# Altium PCB UAVPoS_V2_0.PcbDoc (part 1 of 3) (continued)
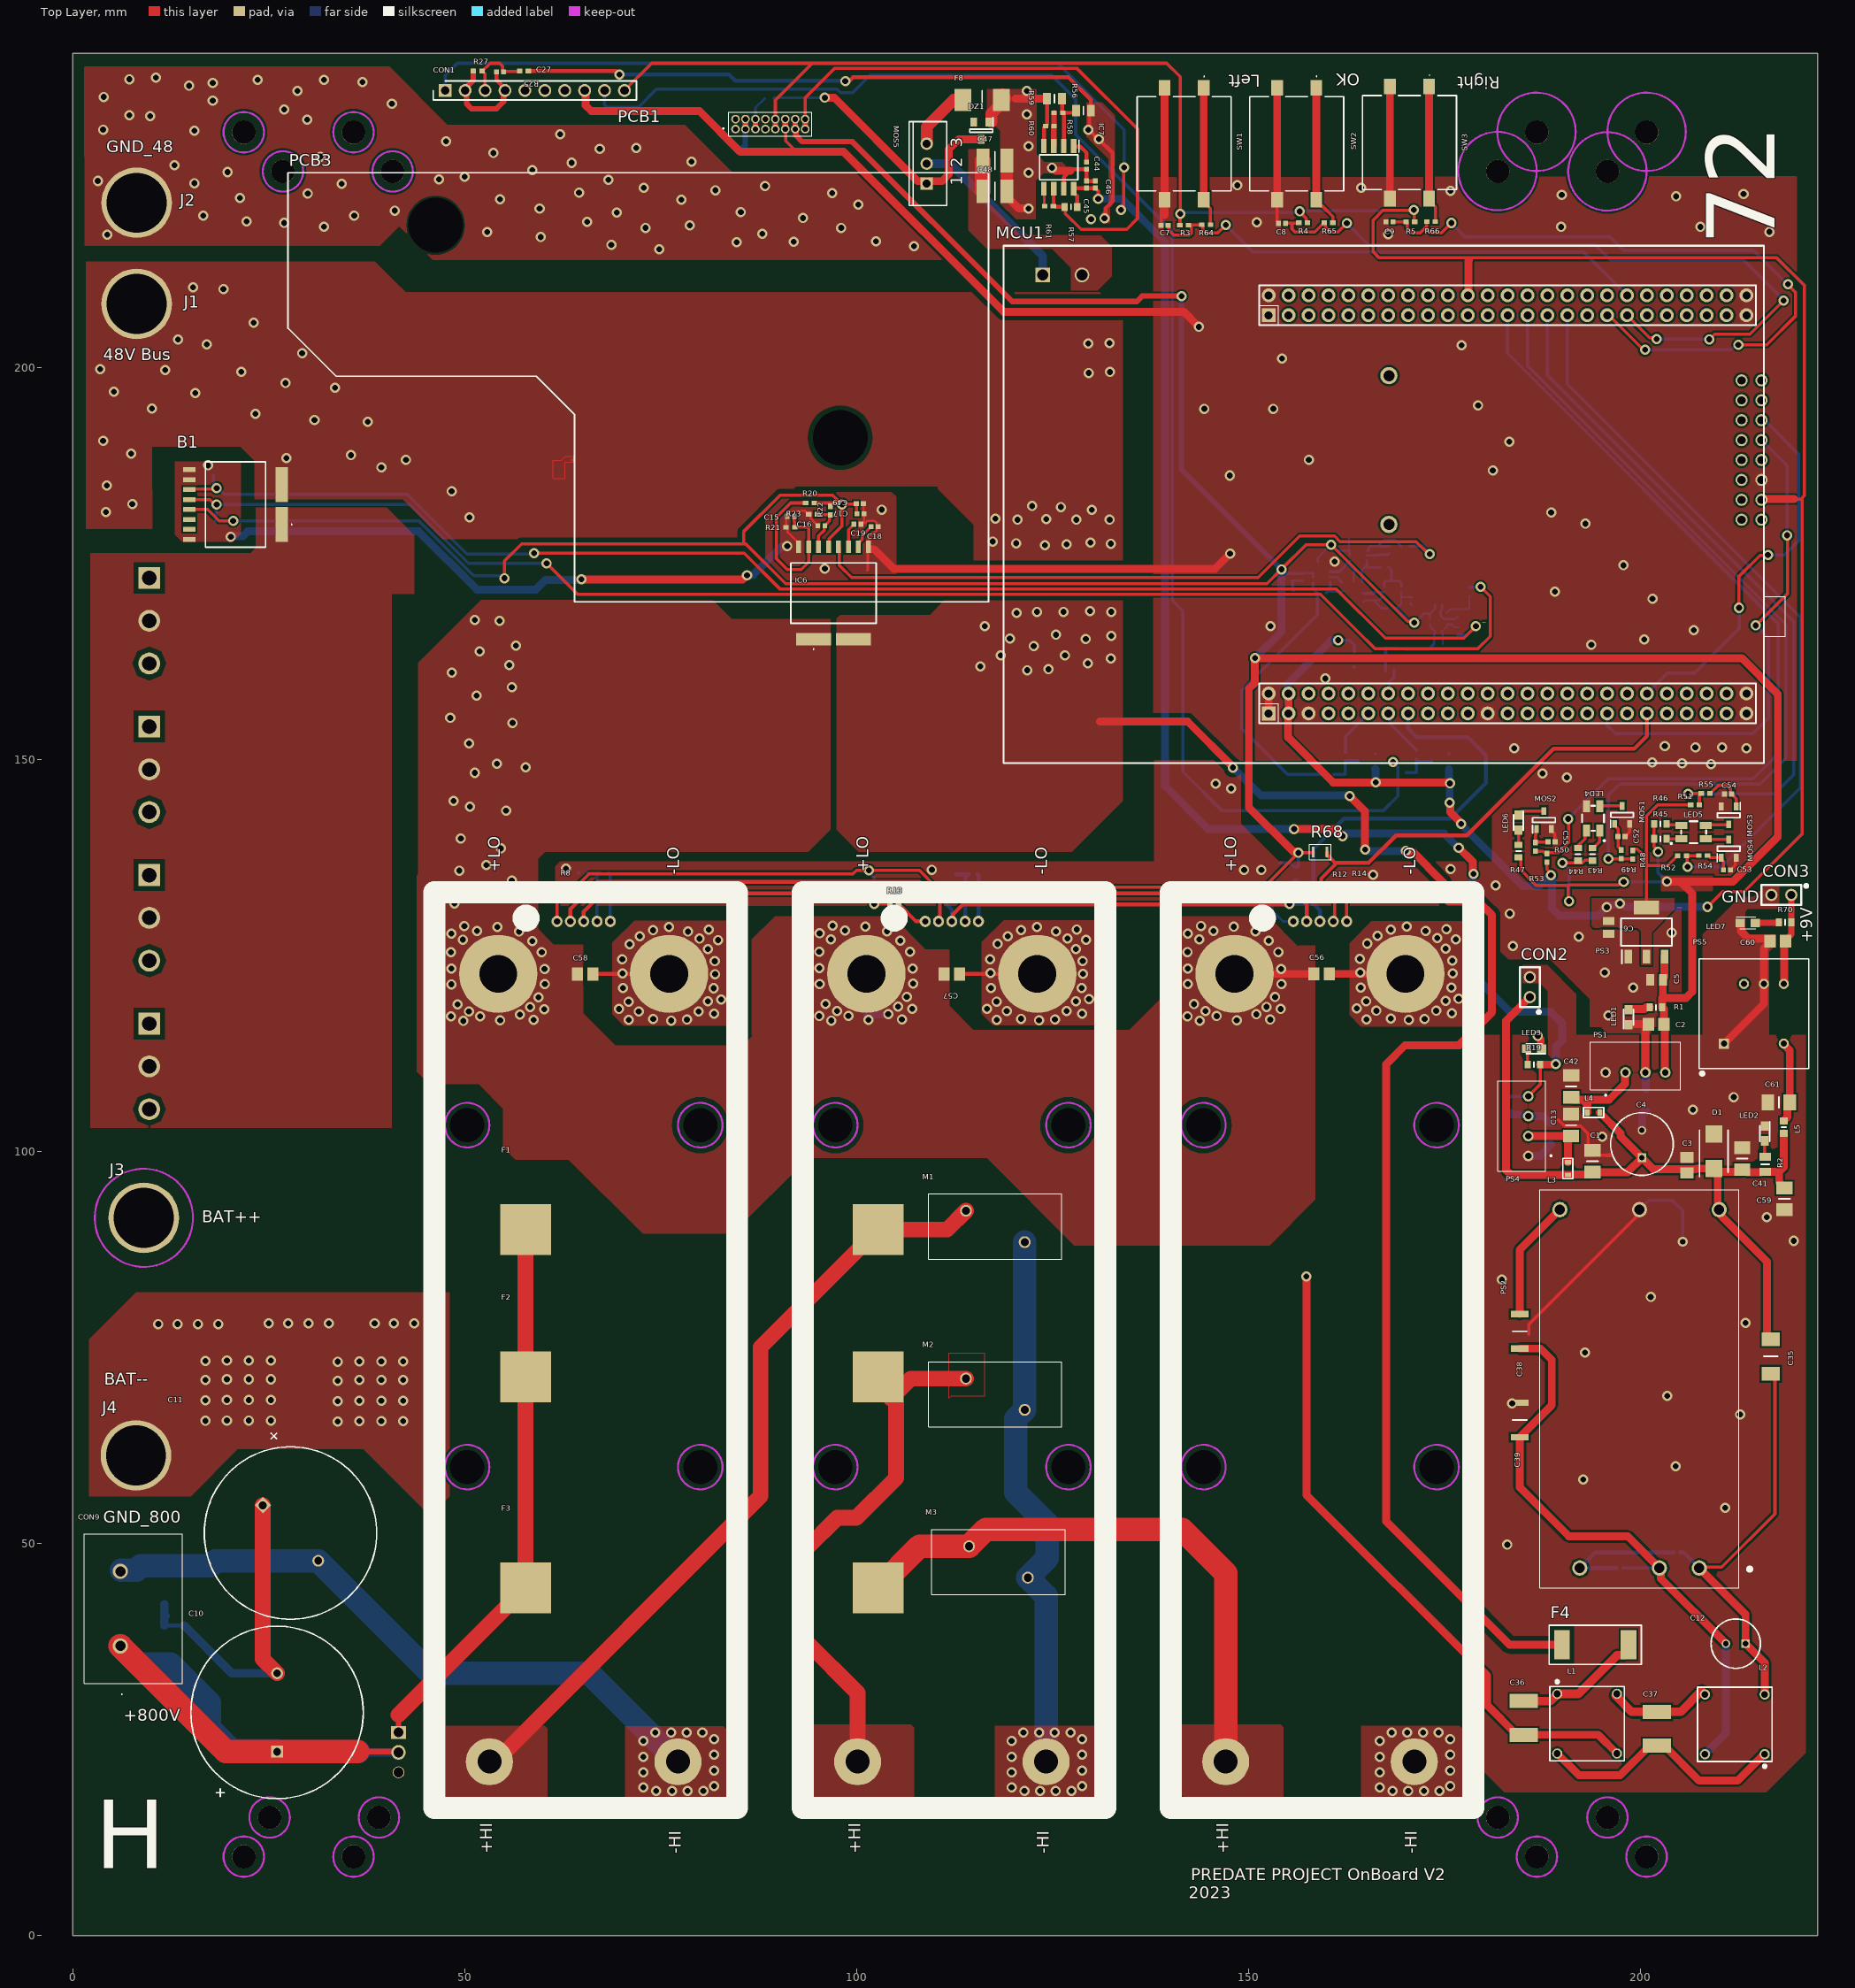
[diagram p0: Top Layer view]
## Part data (continued)
CON9: "Terminal Block; 32 A; 690 V; 9.5 mm; 24 to 10", Manufacturer="Phoenix Contact", Supplier Part Number 1=651-1714971, Category="Test Probes, Leads and Clips", Manufacturer Part Number=1714971, Part Number=1714971, Pricing 1="1=1,98000, 10=1,93000, 50=1,80000, 100=1,6500", RoHS=Yes, Stock 1=10332, Supplier 1=Mouser
D1: "Diode TVS Single Uni-Dir 20V 600W 2-Pin SMB", Breakdown Voltage=22.2V, Case/Package=DO-214AA, Clamping Voltage=32.4V, Leakage Current=1uA, Manufacturer=Littelfuse, Max Breakdown Voltage=24.5V, Max Operating Temperature=150°C, Max Power Dissipation=600W, Max Surge Current=18.6A, Min Operating Temperature=-55°C, Operating Supply Voltage=20V, Package Quantity=3000, Power Line Protection=No, Resistor Type=Zener, Supplier Part Number 1=821-SMBJ20A, Test Current=1mA, Category="TVS Diodes", Clamping Voltage-Max=32.4V, ComponentLink1Description=https://datasheet.ciiva.com/46381/607623-4638, ComponentLink1URL=https://datasheet.ciiva.com/46381/607623-4638, ComponentLink2Description=https://datasheet.ciiva.com/331/littelfuse-tv, ComponentLink2URL=https://datasheet.ciiva.com/331/littelfuse-tv, ComponentLink3Description=https://datasheet.ciiva.com/16391/littelfuse-, ComponentLink3URL=https://datasheet.ciiva.com/16391/littelfuse-, ComponentLink4Description=https://datasheet.ciiva.com/331/littelfuse-tv, ComponentLink4URL=https://datasheet.ciiva.com/331/littelfuse-tv, ComponentLink5Description=https://datasheet.ciiva.com/331/littelfuse-tv, ComponentLink5URL=https://datasheet.ciiva.com/331/littelfuse-tv, ComponentLink6Description=https://datasheet.ciiva.com/4509/littelfuse-t, ComponentLink6URL=https://datasheet.ciiva.com/4509/littelfuse-t, Diode Type=ZENER, Direction=Unidirectional, Height=2.44mm, Lead Free="Lead Free", Length=5.59mm, Manufacturer Part Number=SMBJ20A, Min Breakdown Voltage=22.2V, Mount="Surface Mount", Number of Channels=1, Number of Elements=1, Number of Pins=2, Number of Unidirectional Channels=1, Packaging="Tape and Reel", Part Number=SMBJ20A, Peak Pulse Current=18.6A, Peak Pulse Power=600W, Polarity=Unidirectional, Power Dissipation=600W, Pricing 1="1=0,48510, 10=0,37210, 25=0,36840, 100=0,2633", Radiation Hardening=No, REACH SVHC="No SVHC", Reverse Breakdown Voltage=22.2V, Reverse Standoff Voltage=20V, RoHS=Yes, RoHS Compliant=Yes, Series=SMBJ, Stock 1=6334, Supplier 1=Mouser, Termination=SMD/SMT, Voltage Rating (DC)=20V, Width=3.94mm
D2 D7 D8 D9: "Diode Schottky Rectifier 20V 80A 3-Pin TO-247", Average Rectified Current=40A, Case/Package=TO-247-3, Forward Voltage=550mV, Manufacturer=Vishay, Max Forward Surge Current (Ifsm)=2.2kA, Max Operating Temperature=150°C, Max Repetitive Reverse Voltage (Vrrm)=20V, Max Reverse Current=5.5mA, Min Operating Temperature=-55°C, Supplier Part Number 1=78-VS-80CPQ020-N3, Category="Rectifier Diodes", ComponentLink1Description=http://www.vishay.com/docs/94256/80cpq020.pdf, ComponentLink1URL=http://www.vishay.com/docs/94256/80cpq020.pdf, Element Configuration="Common Cathode", Forward Current=40A, Height=20.7mm, Length=15.87mm, Manufacturer Part Number=VS-80CPQ020-N3, Max Reverse Voltage (DC)=20V, Mount="Through Hole", Number of Pins=3, Packaging=Rail/Tube, Part Number=VS-80CPQ020-N3, Peak Non-Repetitive Surge Current=2.2kA, Pricing 1="1=5,72000, 10=5,14000, 50=5,14000, 100=4,2100", RoHS=Yes, RoHS Compliant=Yes, Stock 1=5110, Supplier 1=Mouser, Width=5.31mm
D3: library part VT10200C-E3/4W, "VT10200C-E3 10 A 200 V Trench MOS Barrier Sch", Average Rectified Current=5A, Case/Package=TO-220-3, Forward Current=10A, Forward Voltage=580mV, Manufacturer="Vishay Semiconductors", Max Forward Surge Current (Ifsm)=80A, Max Operating Temperature=150°C, Max Power Dissipation=350mW, Max Repetitive Reverse Voltage (Vrrm)=200V, Max Reverse Current=150uA, Max Reverse Leakage Current=10uA, Min Operating Temperature=-40°C, Output Current=50mA, Package Quantity=50, Supplier Part Number 1=78-VT10200C-E3/4W, Test Current=5mA, Tolerance=7%, Voltage=3V, Voltage Tolerance=5%, Category="Rectifier Diodes", ComponentLink1Description=https://datasheet.ciiva.com/24139/vt10200c-27, ComponentLink1URL=https://datasheet.ciiva.com/24139/vt10200c-27, ComponentLink2Description=https://datasheet.ciiva.com/25623/0900766b810, ComponentLink2URL=https://datasheet.ciiva.com/25623/0900766b810, ComponentLink3Description=https://datasheet.ciiva.com/8347/ds18001-8347, ComponentLink3URL=https://datasheet.ciiva.com/8347/ds18001-8347, ComponentLink4Description=https://datasheet.ciiva.com/890/ds18001-89008, ComponentLink4URL=https://datasheet.ciiva.com/890/ds18001-89008, ComponentLink5Description=https://datasheet.ciiva.com/890/ds18001-89009, ComponentLink5URL=https://datasheet.ciiva.com/890/ds18001-89009, ComponentLink6Description=https://datasheet.ciiva.com/10637/bzx84c2v4lt, ComponentLink6URL=https://datasheet.ciiva.com/10637/bzx84c2v4lt, ComponentLink7Description=https://datasheet.ciiva.com/24019/bzx84c2v4lt, ComponentLink7URL=https://datasheet.ciiva.com/24019/bzx84c2v4lt, Contact Plating=Tin,Matte, Element Configuration="Common Cathode", ESD Protection=No, Halogen Free="Halogen Free", Height=1mm, Impedance=95R, Lead Free="Lead Free", Length=2.9mm, Manufacturer Part Number=VT10200C-E3/4W, Max Reverse Voltage (DC)=200V, Mount="Through Hole", Number of Pins=3, Packaging=Rail/Tube, Part Number=VT10200C-E3/4W, Peak Non-Repetitive Surge Current=80A, Power Dissipation=350mW, Power Rating=350mW, Pricing 1="1=1,25000, 10=1,13000, 50=1,13000, 100=0,8760", RoHS=Yes, RoHS Compliant=Yes, Series=TMBS®, Stock 1=745, Supplier 1=Mouser, Termination=SMD/SMT, Voltage Rating (DC)=3V, Weight=0.066315oz, Width=1.3mm, Working Voltage=3V, Zener Current=5mA, Zener Voltage=3V
DZ1: "SZBZX84C18L Series 18 V 225 mW 10 mA SMT Zene", Case/Package=SOT-23-3, Forward Voltage=900mV, Manufacturer="ON Semiconductor", Max Operating Temperature=150°C, Max Power Dissipation=225mW, Max Reverse Current=50nA, Min Operating Temperature=-55°C, Package Quantity=10000, Supplier Part Number 1=863-SZBZX84C18LT3G, Tolerance=6%, Working Voltage=18V, Category="Zener Diodes", Element Configuration=Single, Impedance=45R, Lead Free="Lead Free", Manufacturer Part Number=SZBZX84C18LT3G, Max Reverse Leakage Current=50nA, Number of Pins=3, Packaging="Tape and Reel", Part Number=SZBZX84C18LT3G, Power Dissipation=225mW, Pricing 1="1=0,18000, 10=0,16000, 50=0,16000, 100=0,0880", Radiation Hardening=No, RoHS=Yes, Series=-, Stock 1=14240, Supplier 1=Mouser, Zener Voltage=18V
F1 F2 F3: "Adafruit Feather nRF52 Pro with myNewt Bootlo", Case/Package=SMD/SMT, Manufacturer="Keystone Electronics", Supplier Part Number 1=534-3574, Category="Fuse Holders", Manufacturer Part Number=3574, Mount="Surface Mount", Part Number=3574, Pricing 1="1=3,57000, 10=3,57000, 50=3,14000, 100=2,8600", RoHS=Yes, Stock 1=401, Supplier 1=Mouser
F4: library part 3403.0168.11, "Fuse Chip Slow Blow Acting 1.6A 250V SMD Sold", Case/Package=SMD/SMT, Manufacturer=Schurter, Supplier Part Number 1=693-3403.0168.11, Category=Fuses, Manufacturer Part Number=3403.0168.11, Mount="Surface Mount,PCB", Number of Pins=2, Part Number=3403.0168.11, Pricing 1="1=0,69000, 10=0,69000, 50=0,62200, 100=0,5670", RoHS=Yes, Stock 1=1214, Supplier 1=Mouser, Weight=0.008113oz
F8: "Fuse Brd Mnt 2.5A 125VAC/VDC", Case/Package=2410, Manufacturer=Bel, Supplier Part Number 1=530-0679L2500-05, Category=Fuses, Manufacturer Part Number=0679L2500-05, Mount="Surface Mount", Part Number=0679L2500-05, Pricing 1="1=0,33000, 10=0,31300, 50=0,31300, 100=0,2590", RoHS=Yes, Stock 1=7135, Supplier 1=Mouser
IC1 IC3 IC4 IC5: "Op Amp Single Low Voltage Amplifier R-R I/O 5", Case/Package=SC, Manufacturer="TI National Semiconductor", Max Operating Temperature=125°C, Min Operating Temperature=-40°C, Output Current=8mA, Supplier Part Number 1=926-LMV981MG/NOPB, Bandwidth=1.4MHz, Contact Plating=Tin, Manufacturer Part Number=LMV981MG/NOPB, Mount="Surface Mount", Number of Channels=1, Number of Pins=6, Packaging="Cut Tape", Part Number=LMV981MG/NOPB, Pricing 1="1=1,67000, 10=1,51000, 50=1,43000, 100=1,1800", RoHS=Yes, Stock 1=8365, Supplier 1=Mouser, Weight=0.01lb
IC6: "Current Sensor 58.3A 1 Channel Hall Effect, Open Loop Bidirectional 16-PowerSOIC (0.303\", 7.70mm Width), 10 Leads", Manufacturer_Name=AKM, Datasheet Link=https://www.akm.com/content/dam/documents/products/current-sensor/cz3ag5/cz3ag5-en-datasheet.pdf, Geometry.Height=2.45mm, Manufacturer_Part_Number=CZ3AG5
IC7: "Supervisor Open Drain or Open Collector 2 Cha", Case/Package=SOIC, Manufacturer="ON Semiconductor", Max Operating Temperature=105°C, Min Operating Temperature=-40°C, Package Quantity=2500, Supplier Part Number 1=863-MC33161DR2G, Category="Voltage Supervisors", Manufacturer Part Number=MC33161DR2G, Mount="Surface Mount", Number of Pins=8, Packaging="Tape and Reel", Part Number=MC33161DR2G, Pricing 1="1=1,38000, 10=1,27000, 50=1,16000, 100=0,9850", RoHS=Yes, Stock 1=47063, Supplier 1=Mouser
L1: "Common Mode Chokes Dual 33.3uH 100kHz 4A 0.00", Manufacturer="Traco Power", Max Operating Temperature=105°C, Min Operating Temperature=-40°C, Supplier Part Number 1=495-TCK-075, Category="Common Mode Chokes", Manufacturer Part Number=TCK-075, Mount="Through Hole", Part Number=TCK-075, Pricing 1="1=6,29000, 10=5,71000, 50=5,14000, 100=4,1900", RoHS=Yes, Stock 1=90, Supplier 1=Mouser
L2: "COMMON MODE CHOKE, 55UH, 5.7A; Product Range:", Current Rating=4A, Inductance=55.23uH, Manufacturer="Traco Power", Max Current Rating=5.7A, Max Operating Temperature=105°C, Min Operating Temperature=-40°C, Supplier Part Number 1=495-TCK-076, Category="Common Mode Chokes", Manufacturer Part Number=TCK-076, Mount="Through Hole", Number of Lines=2, Part Number=TCK-076, Pricing 1="1=6,29000, 10=5,71000, 50=4,48000, 100=4,4800", RoHS=Yes, Stock 1=84, Supplier 1=Mouser
L3 L4 L5: library part MLZ1608M6R8WT000, "1.6mm x 0.8mm x 0.8mm, -55 to +125 degC, 100m", Manufacturer=TDK, Supplier Part Number 1=810-MLZ1608M6R8WT000, Category="Fixed Inductors", Manufacturer Part Number=MLZ1608M6R8WT000, Part Number=MLZ1608M6R8WT000, Pricing 1="1=0,14000, 10=0,10300, 50=0,10300, 100=0,0820", RoHS=Yes, Stock 1=398, Supplier 1=Mouser
LED1 LED2 LED3 LED6 LED7: "Led, Green, 520 Nm, 3.2 V, 30 Ma, 450 Mcd Roh", Manufacturer="Wurth Electronics", Supplier Part Number 1=710-150080GS75000, Category=LEDs, Manufacturer Part Number=150080GS75000, Part Number=150080GS75000, Pricing 1="1=0,19000, 10=0,18700, 50=0,17600, 100=0,1510", RoHS=Yes, Stock 1=29367, Supplier 1=Mouser
LED4 LED5: "Led, Green, Red, R 250Mcd, G 60Mcd, 120 , R 2", Case/Package=3528, Manufacturer="Wurth Electronics", Supplier Part Number 1=710-150141RV73100, Category=LEDs, Manufacturer Part Number=150141RV73100, Mount="Surface Mount", Part Number=150141RV73100, Pricing 1="1=0,34000, 10=0,33600, 50=0,33000, 100=0,2870", RoHS=Yes, Stock 1=19014, Supplier 1=Mouser
M1 M2 M3: "LA Series 825 VDC 625 V RMS 1650 V Clamp 4500", Capacitance=210pF, Case Code (Imperial)=2410, Case Code (Metric)=6125, Case/Package=Metal, Clamping Current=50A, Clamping Voltage=1.65kV, DC Cold Resistance=32mR, DC Resistance (DCR)=8.5mR, Inductance=33.33uH, Manufacturer=Littelfuse, Max Current Rating=4A, Max Operating Temperature=85°C, Max Output Current=4.5kA, Max Power Dissipation=3.78W, Max Varistor Voltage=1.1kV, Max Voltage Rating (AC)=625V, Max Voltage Rating (DC)=825V, Min Operating Temperature=-55°C, Min Varistor Voltage=900V, Package Quantity=500, Supplier Part Number 1=576-V625LA40AP, Airflow=18.1CFM, Approvals=cURus, Bearing Type=Ball, Category=Varistors, Clamping Voltage-Max=1.65kV, ComponentLink1Description=https://datasheet.ciiva.com/6992/littelfuse-m, ComponentLink1URL=https://datasheet.ciiva.com/6992/littelfuse-m, ComponentLink2Description=https://datasheet.ciiva.com/4543/littelfuse-m, ComponentLink2URL=https://datasheet.ciiva.com/4543/littelfuse-m, ComponentLink3Description=https://datasheet.ciiva.com/16345/littelfuse-, ComponentLink3URL=https://datasheet.ciiva.com/16345/littelfuse-, ComponentLink4Description=https://datasheet.ciiva.com/8071/482376-80710, ComponentLink4URL=https://datasheet.ciiva.com/8071/482376-80710, ComponentLink5Description=http://www.farnell.com/datasheets/2828568.pdf, ComponentLink5URL=http://www.farnell.com/datasheets/2828568.pdf, ComponentLink6Description=http://www.farnell.com/datasheets/2062550.pdf, ComponentLink6URL=http://www.farnell.com/datasheets/2062550.pdf, ComponentLink7Description=http://www.farnell.com/datasheets/2062551.pdf, ComponentLink7URL=http://www.farnell.com/datasheets/2062551.pdf, ComponentLink8Description=https://www.tracopower.com/products/tck076.pd, ComponentLink8URL=https://www.tracopower.com/products/tck076.pd, ComponentLink9Description=http://www.farnell.com/datasheets/2062551.pdf, ComponentLink9URL=http://www.farnell.com/datasheets/2062551.pdf, ComponentLink10Description=http://www.farnell.com/datasheets/1951860.pdf, ComponentLink10URL=http://www.farnell.com/datasheets/1951860.pdf, ComponentLink11Description=http://www.farnell.com/datasheets/1951860.pdf, ComponentLink11URL=http://www.farnell.com/datasheets/1951860.pdf, ComponentLink12Description=https://katalog.we-online.de/pbs/datasheet/74, ComponentLink12URL=https://katalog.we-online.de/pbs/datasheet/74, ComponentLink13Description=http://www.belfuse.com/resources/CircuitProte, ComponentLink13URL=http://www.belfuse.com/resources/CircuitProte, ComponentLink14Description=http://www.sunon.com/uFiles/file/03_products/, ComponentLink14URL=http://www.sunon.com/uFiles/file/03_products/, Current Rating=50A, Depth=8.3mm, Diameter=14mm, Energy=125J, Fuse Type="Board Mount (Cartridge Style Excluded)", Height=1.772inch, Housing Material=Plastic, Lead Free="Lead Free", Lead Pitch=8.5mm, Lead/Base Style=Radial, Length=1.457inch, Manufacturer Part Number=V625LA40AP, Max Surge Current=4.5kA, Mount="Through Hole", Noise=53.8dBA, Noise Level="53.8 dBA", Number of Circuits=1, Number of Lines=2, Packaging=Bulk, Part Number=V625LA40AP, Power Rating=3.78W, Pricing 1="1=1,79000, 10=1,62000, 50=1,62000, 100=1,3000", Radiation Hardening=No, Reach SVHC Compliant=Yes, RoHS=Yes, RoHS Compliant=Yes, RPM=16000RPM, Series=LA, Stock 1=488, Supplier 1=Mouser, Termination=Radial, Varistor Voltage=1.1kV, Voltage Rating=825V, Voltage Rating (AC)=625V, Voltage Rating (DC)=825V, Weight=0.088lb, Width=8.3mm
MCU1: "STM32F407VGT6 Microcontroller Development Kit", Manufacturer=STMicroelectronics, Supplier Part Number 1=497-16287-ND, Category=Microcontrollers, ComponentLink1Description=http://www.farnell.com/datasheets/1868813.pdf, ComponentLink1URL=http://www.farnell.com/datasheets/1868813.pdf, ComponentLink2Description=http://www.farnell.com/datasheets/1868813.pdf, ComponentLink2URL=http://www.farnell.com/datasheets/1868813.pdf, ComponentLink3Description=http://www.st.com/content/ccc/resource/techni, ComponentLink3URL=http://www.st.com/content/ccc/resource/techni, Core Architecture=ARM, Evaluation Kit=Yes, Lead Free="Lead Free", Manufacturer Part Number=STM32F407G-DISC1, Number of Bits=32, Part Number=STM32F407G-DISC1, Pricing 1="1=19,90000 (USD)", REACH SVHC="No SVHC", RoHS=Yes, Stock 1=1, Supplier 1=Digi-Key
MOS1 MOS2 MOS3 MOS4: "N-Channel 60 V 0.2 W Surface Mount 2.5 V Driv", Case/Package=TO-236-3, Continuous Drain Current (ID)=250mA, Current Rating=2A, DC Cold Resistance=150mR, Drain to Source Breakdown Voltage=60V, Drain to Source Resistance=1.7R, Gate to Source Voltage (Vgs)=20V, Input Capacitance=15pF, Manufacturer=Rohm, Max Operating Temperature=150°C, Max Power Dissipation=200mW, Min Operating Temperature=-55°C, Package Quantity=3000, Power Dissipation=300W, Resistor Type=Ceramic, Supplier Part Number 1=755-RK7002BMT116, Threshold Voltage=2.7V, Voltage=250V, Voltage Rating (AC)=1kV, Approvals=cURus, Category=MOSFETs, ComponentLink1Description=http://www.farnell.com/datasheets/2197948.pdf, ComponentLink1URL=http://www.farnell.com/datasheets/2197948.pdf, ComponentLink2Description=http://www.mouser.com/ds/2/348/rk7002bmt116-e, ComponentLink2URL=http://www.mouser.com/ds/2/348/rk7002bmt116-e, ComponentLink3Description=http://www.farnell.com/datasheets/2197948.pdf, ComponentLink3URL=http://www.farnell.com/datasheets/2197948.pdf, ComponentLink4Description=http://www.farnell.com/datasheets/2197948.pdf, ComponentLink4URL=http://www.farnell.com/datasheets/2197948.pdf, ComponentLink5Description=http://rohmfs.rohm.com/en/products/databook/d, ComponentLink5URL=http://rohmfs.rohm.com/en/products/databook/d, ComponentLink6Description=http://rohmfs.rohm.com/en/techdata_basic/tran, ComponentLink6URL=http://rohmfs.rohm.com/en/techdata_basic/tran, ComponentLink7Description=https://media.digikey.com/pdf/Data%20Sheets/B, ComponentLink7URL=https://media.digikey.com/pdf/Data%20Sheets/B, ComponentLink8Description=http://www.mouser.com/ds/2/215/574-741252.pdf, ComponentLink8URL=http://www.mouser.com/ds/2/215/574-741252.pdf, ComponentLink9Description=http://mail.keyelco.com/ENG._DEPT/PDF%20CAT%2, ComponentLink9URL=http://mail.keyelco.com/ENG._DEPT/PDF%20CAT%2, ComponentLink10Description=https://datasheet.ciiva.com/29618/3061295-296, ComponentLink10URL=https://datasheet.ciiva.com/29618/3061295-296, ComponentLink11Description=https://datasheet.ciiva.com/29286/448842-da-0, ComponentLink11URL=https://datasheet.ciiva.com/29286/448842-da-0, ComponentLink12Description=https://datasheet.ciiva.com/29755/csd19535kcs, ComponentLink12URL=https://datasheet.ciiva.com/29755/csd19535kcs, ComponentLink13Description=https://datasheet.ciiva.com/46430/1857241-464, ComponentLink13URL=https://datasheet.ciiva.com/46430/1857241-464, Contact Material=Brass, Contact Plating=Tin, Drain to Source Voltage (Vdss)=60V, Element Configuration=Single, Fall Time=28ns, FET Type="1 N-Channel", Fuse Type="Cartridge, Ceramic", Height=16.51mm, Lead Free="Lead Free", Length=1.496inch, Manufacturer Part Number=RK7002BMT116, Material=Brass,Tin, Mount="Surface Mount", Number of Channels=1, Number of Circuits=1, Number of Elements=1, Number of Pins=3, Packaging="Tape and Reel", Part Number=RK7002BMT116, Polarity=N-CHANNEL, Pricing 1="1=0,21000, 10=0,17800, 50=0,17800, 100=0,0940", Rds On Max=2.4R, Reach SVHC Compliant=Yes, Rise Time=5ns, RoHS=Yes, RoHS Compliant=Yes, Series=NexFET™, Stock 1=98948, Supplier 1=Mouser, Termination=SMD/SMT, Turn-Off Delay Time=18ns, Turn-On Delay Time=3.5ns, Voltage Rating (DC)=1kV, Weight=0.211644oz, Width=4.7mm
MOS5: "100-V, N channel NexFET™ power MOSFET, single", Case/Package=TO-220, Manufacturer="Texas Instruments", Supplier Part Number 1=595-CSD19535KCS, Category=MOSFETs, Manufacturer Part Number=CSD19535KCS, Mount="Through Hole", Part Number=CSD19535KCS, Pricing 1="1=3,61000, 10=3,24000, 50=3,24000, 100=2,6500", RoHS=Yes, Stock 1=33, Supplier 1=Mouser
PCB1: library part ADUM3221ARZ_Breakout, "Description"
PCB2: library part 2-CH-UART-TO-ETH, "The 2-CH UART TO ETH provides an easy way to", ComponentLink1URL=https://www.waveshare.com/wiki/2-CH_UART_TO_E, Part Number=2-CH-UART-TO-ETH, Supplier 1=Waveshare
PCB3: library part "TP-Link MC220L", "Gigabit SFP to RJ45 Fiber Media Converter", Part Number="TP-Link MC220L", Supplier 1=Amazon
PS1 PS4: "5 Vdc, 0.2 A, 1 W, 10.8~13.2 Vdc Input Range", Manufacturer=CUI, Supplier Part Number 1=490-PDSE1-S12-S5-S, Category="Board Mount Modules", Manufacturer Part Number=PDSE1-S12-S5-S, Part Number=PDSE1-S12-S5-S, Pricing 1="1=2,57000, 10=2,51000, 50=2,29000, 100=2,2900", RoHS=Yes, Stock 1=231, Supplier 1=Mouser
PS2: "Module DC-DC 48VIN 1-OUT 12V 25A 30W 6-Pin", Case/Package=Metal, Current - Output 1=2.5A, Current Rating=1.6A, Isolation Voltage=1.5kV, Manufacturer="Traco Power", Max Input Voltage=75V, Max Operating Temperature=85°C, Max Output Power=30W, Max Power Dissipation=1W, Max Voltage Rating (AC)=250V, Max Voltage Rating (DC)=125V, Min Input Voltage=36V, Min Operating Temperature=-40°C, Nominal Input Voltage=48V, Nominal Output Voltage=12V, Output Current=25A, Package Quantity=100, Supplier Part Number 1=495-TEN30-4812, Approvals=VDE,TUV,cURus,CQC,PSE,KC, Body Material=Ceramic, ComponentLink1Description=https://datasheet.ciiva.com/41865/1648785-418, ComponentLink1URL=https://datasheet.ciiva.com/41865/1648785-418, ComponentLink2Description=https://datasheet.ciiva.com/26336/157312-da-0, ComponentLink2URL=https://datasheet.ciiva.com/26336/157312-da-0, ComponentLink3Description=https://datasheet.ciiva.com/8006/1763620-8006, ComponentLink3URL=https://datasheet.ciiva.com/8006/1763620-8006, ComponentLink4Description=https://datasheet.ciiva.com/302/typ-umt-250-3, ComponentLink4URL=https://datasheet.ciiva.com/302/typ-umt-250-3, ComponentLink5Description=https://datasheet.ciiva.com/8266/typ-umt-250-, ComponentLink5URL=https://datasheet.ciiva.com/8266/typ-umt-250-, Contact Plating=Tin, Depth=50.8mm, Efficiency=91%, Fuse Size="10.1 X 3mm", Fuse Type="Board Mount (Cartridge Style Excluded)", Height=10.2mm, Housing Material=Ceramic, Isolation=Isolated, Lead Free="Lead Free", Length=50mm, Manufacturer Part Number=TEN30-4812, Max Input Voltage (DC)=75V, Max Output Current=2.5A, Min Input Voltage (DC)=36V, Mount="Through Hole", Number of Outputs=1, Number of Pins=6, Output Voltage=12V, Packaging=Bulk, Part Number=TEN30-4812, Power Dissipation=1W, Pricing 1="1=68,12000, 10=62,01000, 50=53,15000, 100=53,", Radiation Hardening=No, Reach SVHC Compliant=Yes, RoHS=Yes, RoHS Compliant=Yes, Series="TEN 30", Stock 1=9, Supplier 1=Mouser, Termination=SMD/SMT, Voltage - Output 1=12V, Voltage Rating=250V, Voltage Rating (AC)=250V, Voltage Rating (DC)=125V, Weight=31g, Width=25.4mm
PS3: "LDO Regulator Pos 3.3V 1A 4-Pin(3+Tab) SOT-22", Case/Package=SOT-223, Input Bias Current=14nA, Input Offset Voltage (Vos)=1mV, Manufacturer="Taiwan Semiconductor", Max Input Voltage=15V, Max Operating Temperature=125°C, Max Output Current=800mA, Max Power Dissipation=450mW, Max Reset Threshold Voltage=1.295V, Max Supply Current=900uA, Max Supply Voltage=5V, Min Operating Temperature=0°C, Min Reset Threshold Voltage=1.245V, Min Supply Voltage=1.8V, Nominal Supply Current=103uA, Number of Voltages Monitored=2, Operating Supply Current=116uA, Operating Supply Voltage=3V, Output Current=1A, Output Current per Channel=100mA, Output Voltage=3.3V, Output Voltage Accuracy=2%, Package Quantity=1000, Power Dissipation=15W, Power Supply Rejection Ratio (PSRR)=75dB, Quiescent Current=10mA, Reference Voltage=1.275V, Supplier Part Number 1=821-TS1117BCW33RPG, Threshold Voltage=1.27V, Voltage Gain=113dB, Accuracy=2%, Amplifier Type="GENERAL PURPOSE", Category=Uncategorized, Common Mode Rejection Ratio=50dB, ComponentLink1Description=http://uk.rs-online.com/webdocs/1405/0900766b, ComponentLink1URL=http://uk.rs-online.com/webdocs/1405/0900766b, ComponentLink2Description=http://components.arrow.com/part/dataview/459, ComponentLink2URL=http://components.arrow.com/part/dataview/459, ComponentLink3Description=https://datasheet.ciiva.com/5704/786773-57042, ComponentLink3URL=https://datasheet.ciiva.com/5704/786773-57042, ComponentLink4Description=https://datasheet.ciiva.com/6627/lmv981-n-662, ComponentLink4URL=https://datasheet.ciiva.com/6627/lmv981-n-662, ComponentLink5Description=https://datasheet.ciiva.com/6627/lmv981-n-662, ComponentLink5URL=https://datasheet.ciiva.com/6627/lmv981-n-662, ComponentLink6Description=https://datasheet.ciiva.com/6627/lmv981-n-662, ComponentLink6URL=https://datasheet.ciiva.com/6627/lmv981-n-662, ComponentLink7Description=https://datasheet.ciiva.com/1179/mc34161-d-11, ComponentLink7URL=https://datasheet.ciiva.com/1179/mc34161-d-11, ComponentLink8Description=https://datasheet.ciiva.com/1970/mc34161-d-19, ComponentLink8URL=https://datasheet.ciiva.com/1970/mc34161-d-19, ComponentLink9Description=https://datasheet.ciiva.com/3306/mc34161-d-33, ComponentLink9URL=https://datasheet.ciiva.com/3306/mc34161-d-33, ComponentLink10Description=https://datasheet.ciiva.com/8132/mc34161-d-81, ComponentLink10URL=https://datasheet.ciiva.com/8132/mc34161-d-81, ComponentLink11Description=https://datasheet.ciiva.com/1970/mc34161-d-19, ComponentLink11URL=https://datasheet.ciiva.com/1970/mc34161-d-19, ComponentLink12Description=https://datasheet.ciiva.com/1970/mc34161-d-19, ComponentLink12URL=https://datasheet.ciiva.com/1970/mc34161-d-19, Gain Bandwidth Product=1.5MHz, Halogen Free="Halogen Free", Height=1.8mm, Lead Free="Lead Free", Length=6.85mm, Manufacturer Part Number=TS1117BCW33RP, Mount="Surface Mount", Number of Amplifiers=1, Number of Circuits=1, Number of Elements=1, Number of Outputs=1, Output Type=Fixed, Packaging="Tape and Reel", Part Number=TS1117BCW33RP, Polarity=Positive, Power Rating=15W, Radiation Hardening=No, Reach SVHC Compliant=Yes, RoHS=Yes, RoHS Compliant=Yes, Series=-, Slew Rate=0.42V/µs, Supplier 1=Mouser, Technology=BICMOS, Type="Multi-Voltage Supervisor", Unity Gain Bandwidth Product=1.5MHz, Watchdog Timer=No, Width=3.75mm
PS5: "9/-9 Vdc, 0.167/-0.167 A, 3 W, 9~18 Vdc Input", Manufacturer=CUI, Supplier Part Number 1=490-PQP3-D12-D9-D, Category="Board Mount Modules", Manufacturer Part Number=PQP3-D12-D9-D, Part Number=PQP3-D12-D9-D, Pricing 1="1=9,27, 10=9,13, 50=8,44, 100=8,44, 1000=7,46", RoHS=Yes, Stock 1=23, Supplier 1=Mouser
R1 R19 R43 R44 R45 R46 R47 R70: library part RT0603FRE07715RL, "Res Thin Film 0603 715 Ohm 1% 1/10W ±50ppm/°C", Case Code (Imperial)=0603, Case Code (Metric)=1608, Manufacturer=Yageo, Max Operating Temperature=125°C, Max Power Dissipation=100mW, Min Operating Temperature=-55°C, Package Quantity=5000, Resistor Type="Thin Film", Supplier Part Number 1=603-RT0603FRE07715RL, Temperature Coefficient=50ppm/°C, Tolerance=1%, Voltage Rating=75V, Voltage Rating (DC)=50V, Case/Package=0603, Category="Chip SMD Resistors", ComponentLink1Description=https://datasheet.ciiva.com/2559/pyu-rt-1-to-, ComponentLink1URL=https://datasheet.ciiva.com/2559/pyu-rt-1-to-, ComponentLink2Description=https://datasheet.ciiva.com/12702/pyu-rt-1-to, ComponentLink2URL=https://datasheet.ciiva.com/12702/pyu-rt-1-to, Contact Plating=Tin,Matte, Height=0.022inch, Lead Free="Lead Free", Length=0.063inch, Manufacturer Part Number=RT0603FRE07715RL, Number of Terminations=2, Packaging="Tape and Reel", Part Number=RT0603FRE07715RL, Power Rating=100mW, Pricing 1="1=0,10000, 10=0,05700, 50=0,05700, 100=0,0230", Radiation Hardening=No, Resistance=715R, RoHS=Yes, RoHS Compliant=Yes, Series=RT, Stock 1=8890, Supplier 1=Mouser, Termination=SMD/SMT, Width=0.031inch
R2: library part RT0805FRE073KL, "Res Thin Film 0805 3K Ohm 1% 1/8W ±50ppm/°C M", Case/Package=0805, Manufacturer=Yageo, Max Operating Temperature=125°C, Max Power Dissipation=125mW, Min Operating Temperature=-55°C, Resistance=3kR, Resistor Type="Thin Film", Supplier Part Number 1=603-RT0805FRE073KL, Temperature Coefficient=50ppm/°C, Tolerance=1%, Voltage Rating (DC)=150V, Category="Chip SMD Resistors", ComponentLink1Description=http://www.yageo.com/documents/recent/PYu-RT_, ComponentLink1URL=http://www.yageo.com/documents/recent/PYu-RT_, ComponentLink2Description=http://www.yageo.com/documents/recent/PYu-RT_, ComponentLink2URL=http://www.yageo.com/documents/recent/PYu-RT_, Construction=Rectangular, Contact Plating=Tin,Matte, Depth=1.25mm, Lead Free="Lead Free", Length=2mm, Manufacturer Part Number=RT0805FRE073KL, Military Standard=Not, Number of Terminations=2, Packaging="Tape and Reel", Part Number=RT0805FRE073KL, Pricing 1="1=0,10000, 10=0,08400, 50=0,08400, 100=0,0330", Radiation Hardening=No, RoHS=Yes, RoHS Compliant=Yes, Series=RT, Stock 1=4566, Supplier 1=Mouser, Width=1.25mm
R3 R4 R5 R48 R50 R51 R52: library part RC0402JR-132K2L, "Res Thick Film 0402 2.2K Ohm 5% 1/16W ±100ppm", Case/Package=0402, Manufacturer=Yageo, Max Operating Temperature=155°C, Min Operating Temperature=-55°C, Resistance=2.2kR, Resistor Type="Thick Film", Supplier Part Number 1=603-RC0402JR-132K2L, Temperature Coefficient=100ppm/°C, Tolerance=5%, Category="Chip SMD Resistors", ComponentLink1Description=https://datasheet.ciiva.com/8894/pyu-rc0402-5, ComponentLink1URL=https://datasheet.ciiva.com/8894/pyu-rc0402-5, Construction=Rectangular, Contact Plating=Tin,Matte, Depth=0.5mm, Length=1mm, Manufacturer Part Number=RC0402JR-132K2L, Military Standard=Not, Packaging="Tape and Reel", Part Number=RC0402JR-132K2L, Pricing 1="1=0,10000, 10=0,01000, 50=0,01000, 100=0,0040", Radiation Hardening=No, RoHS=Yes, RoHS Compliant=Yes, Stock 1=75332, Supplier 1=Mouser
R6 R8 R9 R10 R12 R13 R60: library part AC0402FR-070RL, "AC Series 0402 0 Ohm JUMPER Thick Film Chip R", Case Code (Imperial)=0402, Case Code (Metric)=1005, Manufacturer=Yageo, Max Operating Temperature=155°C, Min Operating Temperature=-55°C, Power Rating=62.5mW, Supplier Part Number 1=603-AC0402FR-070RL, Temperature Coefficient=200ppm/°C, Tolerance=1%, Voltage Rating=50V, Case/Package=0402, Category="Chip SMD Resistors", ComponentLink1Description=https://datasheet.ciiva.com/12656/pyu-ac-51-r, ComponentLink1URL=https://datasheet.ciiva.com/12656/pyu-ac-51-r, Manufacturer Part Number=AC0402FR-070RL, Packaging="Tape and Reel", Part Number=AC0402FR-070RL, Pricing 1="1=0,10000, 10=0,02000, 50=0,02000, 100=0,0090", Resistance=0R, RoHS=Yes, Series=AC, Stock 1=1298506, Supplier 1=Mouser, Termination=SMD/SMT
R7: library part CR0402-FX-1871GLF, "Res Thick Film 0402 1.87K Ohm 1% 1/16W ±100pp", Case Code (Imperial)=0402, Case Code (Metric)=1005, Manufacturer=Bourns, Max Operating Temperature=125°C, Min Operating Temperature=-55°C, Package Quantity=10000, Power Rating=62.5mW, Resistance=1.87kR, Resistor Type="Thick Film", Supplier Part Number 1=652-CR0402-FX1871GLF, Temperature Coefficient=100ppm/°C, Tolerance=1%, Voltage Rating=50V, Case/Package=0402, Category="Chip SMD Resistors", ComponentLink1Description=http://components.arrow.com/part/dataview/429, ComponentLink1URL=http://components.arrow.com/part/dataview/429, ComponentLink2Description=http://www.onlinecomponents.com/datasheet/cr0, ComponentLink2URL=http://www.onlinecomponents.com/datasheet/cr0, ComponentLink3Description=http://www.bourns.com/data/global/pdfs/CR0402, ComponentLink3URL=http://www.bourns.com/data/global/pdfs/CR0402, ComponentLink4Description=http://www.bourns.com/pdfs/CR0402.pdf?src-sup, ComponentLink4URL=http://www.bourns.com/pdfs/CR0402.pdf?src-sup, ComponentLink5Description=https://www.bourns.com/docs/Product-Datasheet, ComponentLink5URL=https://www.bourns.com/docs/Product-Datasheet, ComponentLink6Description=http://www.bourns.com/docs/Product-Datasheets, ComponentLink6URL=http://www.bourns.com/docs/Product-Datasheets, Contact Plating=Tin, Height=0.35mm, Length=1mm, Manufacturer Part Number=CR0402-FX-1871GLF, Mount="Surface Mount", Packaging="Tape and Reel", Part Number=CR0402-FX-1871GLF, Pricing 1="1=0,10000, 10=0,03700, 50=0,03700, 100=0,0210", Radiation Hardening=No, RoHS=Yes, RoHS Compliant=Yes, Series=CR0402, Stock 1=22611, Supplier 1=Mouser, Termination=SMD/SMT, Thickness=356um, Width=0.5mm
R11: library part RC0402FR-072K8L, "Res Thick Film 0402 2.8K Ohm 1% 1/16W ±100ppm", Case Code (Imperial)=0402, Case Code (Metric)=1005, Manufacturer=Yageo, Max Operating Temperature=155°C, Max Power Dissipation=63mW, Min Operating Temperature=-55°C, Power Rating=62.5mW, Resistance=2.8kR, Resistor Type="Thick Film", Supplier Part Number 1=603-RC0402FR-072K8L, Temperature Coefficient=100ppm/°C, Tolerance=1%, Voltage Rating=50V, Case/Package=0402, Category="Chip SMD Resistors", ComponentLink1Description=https://datasheet.ciiva.com/16868/pyu-rc0402-, ComponentLink1URL=https://datasheet.ciiva.com/16868/pyu-rc0402-, ComponentLink2Description=https://datasheet.ciiva.com/8894/pyu-rc0402-5, ComponentLink2URL=https://datasheet.ciiva.com/8894/pyu-rc0402-5, Construction=Rectangular, Contact Plating=Tin,Matte, Depth=0.5mm, Features="Moisture Resistant", Height=0.016inch, Length=1mm, Manufacturer Part Number=RC0402FR-072K8L, Military Standard=Not, Number of Terminations=2, Packaging="Tape and Reel", Part Number=RC0402FR-072K8L, Pricing 1="1=0.10000, 10=0.01200, 50=0.01200, 100=0.0040", RoHS=Yes, RoHS Compliant=Yes, Series=RC, Supplier 1=Mouser, Termination=SMD/SMT, Width=0.02inch
R14: library part CRCW04023K92FKED, "Res Thick Film 0402 3.92K Ohm 1% 1/16W ±100pp", Case Code (Imperial)=0402, Case Code (Metric)=1005, Manufacturer=Vishay, Max Operating Temperature=155°C, Max Power Dissipation=63mW, Min Operating Temperature=-55°C, Package Quantity=10000, Ratings=AEC-Q200, Resistance=3.92kR, Resistance Tolerance=1%, Resistor Type="Thick Film", Supplier Part Number 1=71-CRCW0402-3.92K-E3, Temperature Coefficient=100ppm/°C, Voltage Rating=50V, Case/Package=0402, Category="Chip SMD Resistors", ComponentLink1Description=https://datasheet.ciiva.com/11818/0900766b80d, ComponentLink1URL=https://datasheet.ciiva.com/11818/0900766b80d, ComponentLink2Description=https://datasheet.ciiva.com/2464/dcrcwe3-2464, ComponentLink2URL=https://datasheet.ciiva.com/2464/dcrcwe3-2464, ComponentLink3Description=https://datasheet.ciiva.com/2464/dcrcwe3-2464, ComponentLink3URL=https://datasheet.ciiva.com/2464/dcrcwe3-2464, ComponentLink4Description=https://datasheet.ciiva.com/7679/1697337-7679, ComponentLink4URL=https://datasheet.ciiva.com/7679/1697337-7679, ComponentLink5Description=https://datasheet.ciiva.com/16771/70201119-16, ComponentLink5URL=https://datasheet.ciiva.com/16771/70201119-16, ComponentLink6Description=https://datasheet.ciiva.com/16394/dcrcwe3-163, ComponentLink6URL=https://datasheet.ciiva.com/16394/dcrcwe3-163, ComponentLink7Description=https://datasheet.ciiva.com/5939/1697337-5939, ComponentLink7URL=https://datasheet.ciiva.com/5939/1697337-5939, ComponentLink8Description=https://datasheet.ciiva.com/22869/70201119-22, ComponentLink8URL=https://datasheet.ciiva.com/22869/70201119-22, ComponentLink9Description=https://datasheet.ciiva.com/2464/dcrcwe3-2464, ComponentLink9URL=https://datasheet.ciiva.com/2464/dcrcwe3-2464, ComponentLink10Description=https://datasheet.ciiva.com/7679/1697337-7679, ComponentLink10URL=https://datasheet.ciiva.com/7679/1697337-7679, Construction=Rectangular, Contact Plating=Tin, Depth=0.5mm, Features="Automotive AEC-Q200", Height=0.35mm, Length=1mm, Manufacturer Part Number=CRCW04023K92FKED, Military Standard=Not, Mount="Surface Mount", Number of Pins=2, Number of Terminations=2, Packaging="Tape and Reel", Part Number=CRCW04023K92FKED, Power Rating=63mW, Pricing 1="1=0,10000, 10=0,04200, 50=0,04200, 100=0,0170", Radiation Hardening=No, RoHS=Yes, RoHS Compliant=Yes, Series=CRCW, Size Code=0402, Stock 1=6930, Supplier 1=Mouser, Technology="THICK FILM", Termination=SMD/SMT, Tolerance=1%, Weight=2.3E-05oz, Width=0.5mm
R15 R16: library part HV732HTTE1004F, "Res Thick Film 2010 1M Ohm 1% 0.5W(1/2W) ±100", Case Code (Imperial)=2010, Case Code (Metric)=5025, Manufacturer="KOA Speer", Max Operating Temperature=155°C, Min Operating Temperature=-55°C, Package Quantity=4000, Power Rating=500mW, Resistance=1MR, Resistor Type="Thick Film", Supplier Part Number 1=660-HV732HTTE1004F, Temperature Coefficient=100ppm/°C, Tolerance=1%, Voltage Rating=2kV, Case/Package=2010, Category="Chip SMD Resistors", ComponentLink1Description=http://www.koaspeer.com/catimages/Products/HV, ComponentLink1URL=http://www.koaspeer.com/catimages/Products/HV, Height=0.6mm, Length=5mm, Manufacturer Part Number=HV732HTTE1004F, Packaging="Tape and Reel", Part Number=HV732HTTE1004F, Pricing 1="1=0,64000, 10=0,52300, 50=0,52300, 100=0,3590", RoHS=Yes, Stock 1=8447, Supplier 1=Mouser, Termination=SMD/SMT, Voltage Rating (DC)=2kV, Width=2.5mm
R17 R18: library part MCT06030C3161FP500, "Res Thin Film 0603 3.16K Ohm 1% 1/10W ±50ppm/", Case/Package=0603, Case Code (Metric)=1608, Manufacturer="Vishay BCcomponents", Max Operating Temperature=125°C, Max Power Dissipation=125mW, Min Operating Temperature=-55°C, Power Rating=100mW, Resistance=3.16kR, Resistance Tolerance=1%, Resistor Type="Thin Film", Supplier Part Number 1=594-MCT06030C3161FP5, Temperature Coefficient=50ppm/°C, Voltage Rating=75V, Case Code (Imperial)=0603, Category="Chip SMD Resistors", ComponentLink1Description=https://datasheet.ciiva.com/9112/mc-pro-91126, ComponentLink1URL=https://datasheet.ciiva.com/9112/mc-pro-91126, Construction=Rectangular, Contact Plating=Tin, Depth=0.85mm, Features=Anti-Sulfur, Lead Free="Lead Free", Length=1.55mm, Manufacturer Part Number=MCT06030C3161FP500, Military Standard=Not, Mount="Surface Mount", Number of Terminations=2, Packaging="Tape and Reel", Part Number=MCT06030C3161FP500, Pricing 1="10=0,12800, 25=0,10200, 50=0,07500, 100=0,049", Radiation Hardening=No, REACH SVHC=Unknown, RoHS=Yes, RoHS Compliant=Yes, Series="MCT - Professional", Stock 1=202, Supplier 1=Mouser, Tolerance=1%, Voltage Rating (DC)=75V, Width=850um